# KiCad board fmc_memory_adapter.kicad_pcb (continued)
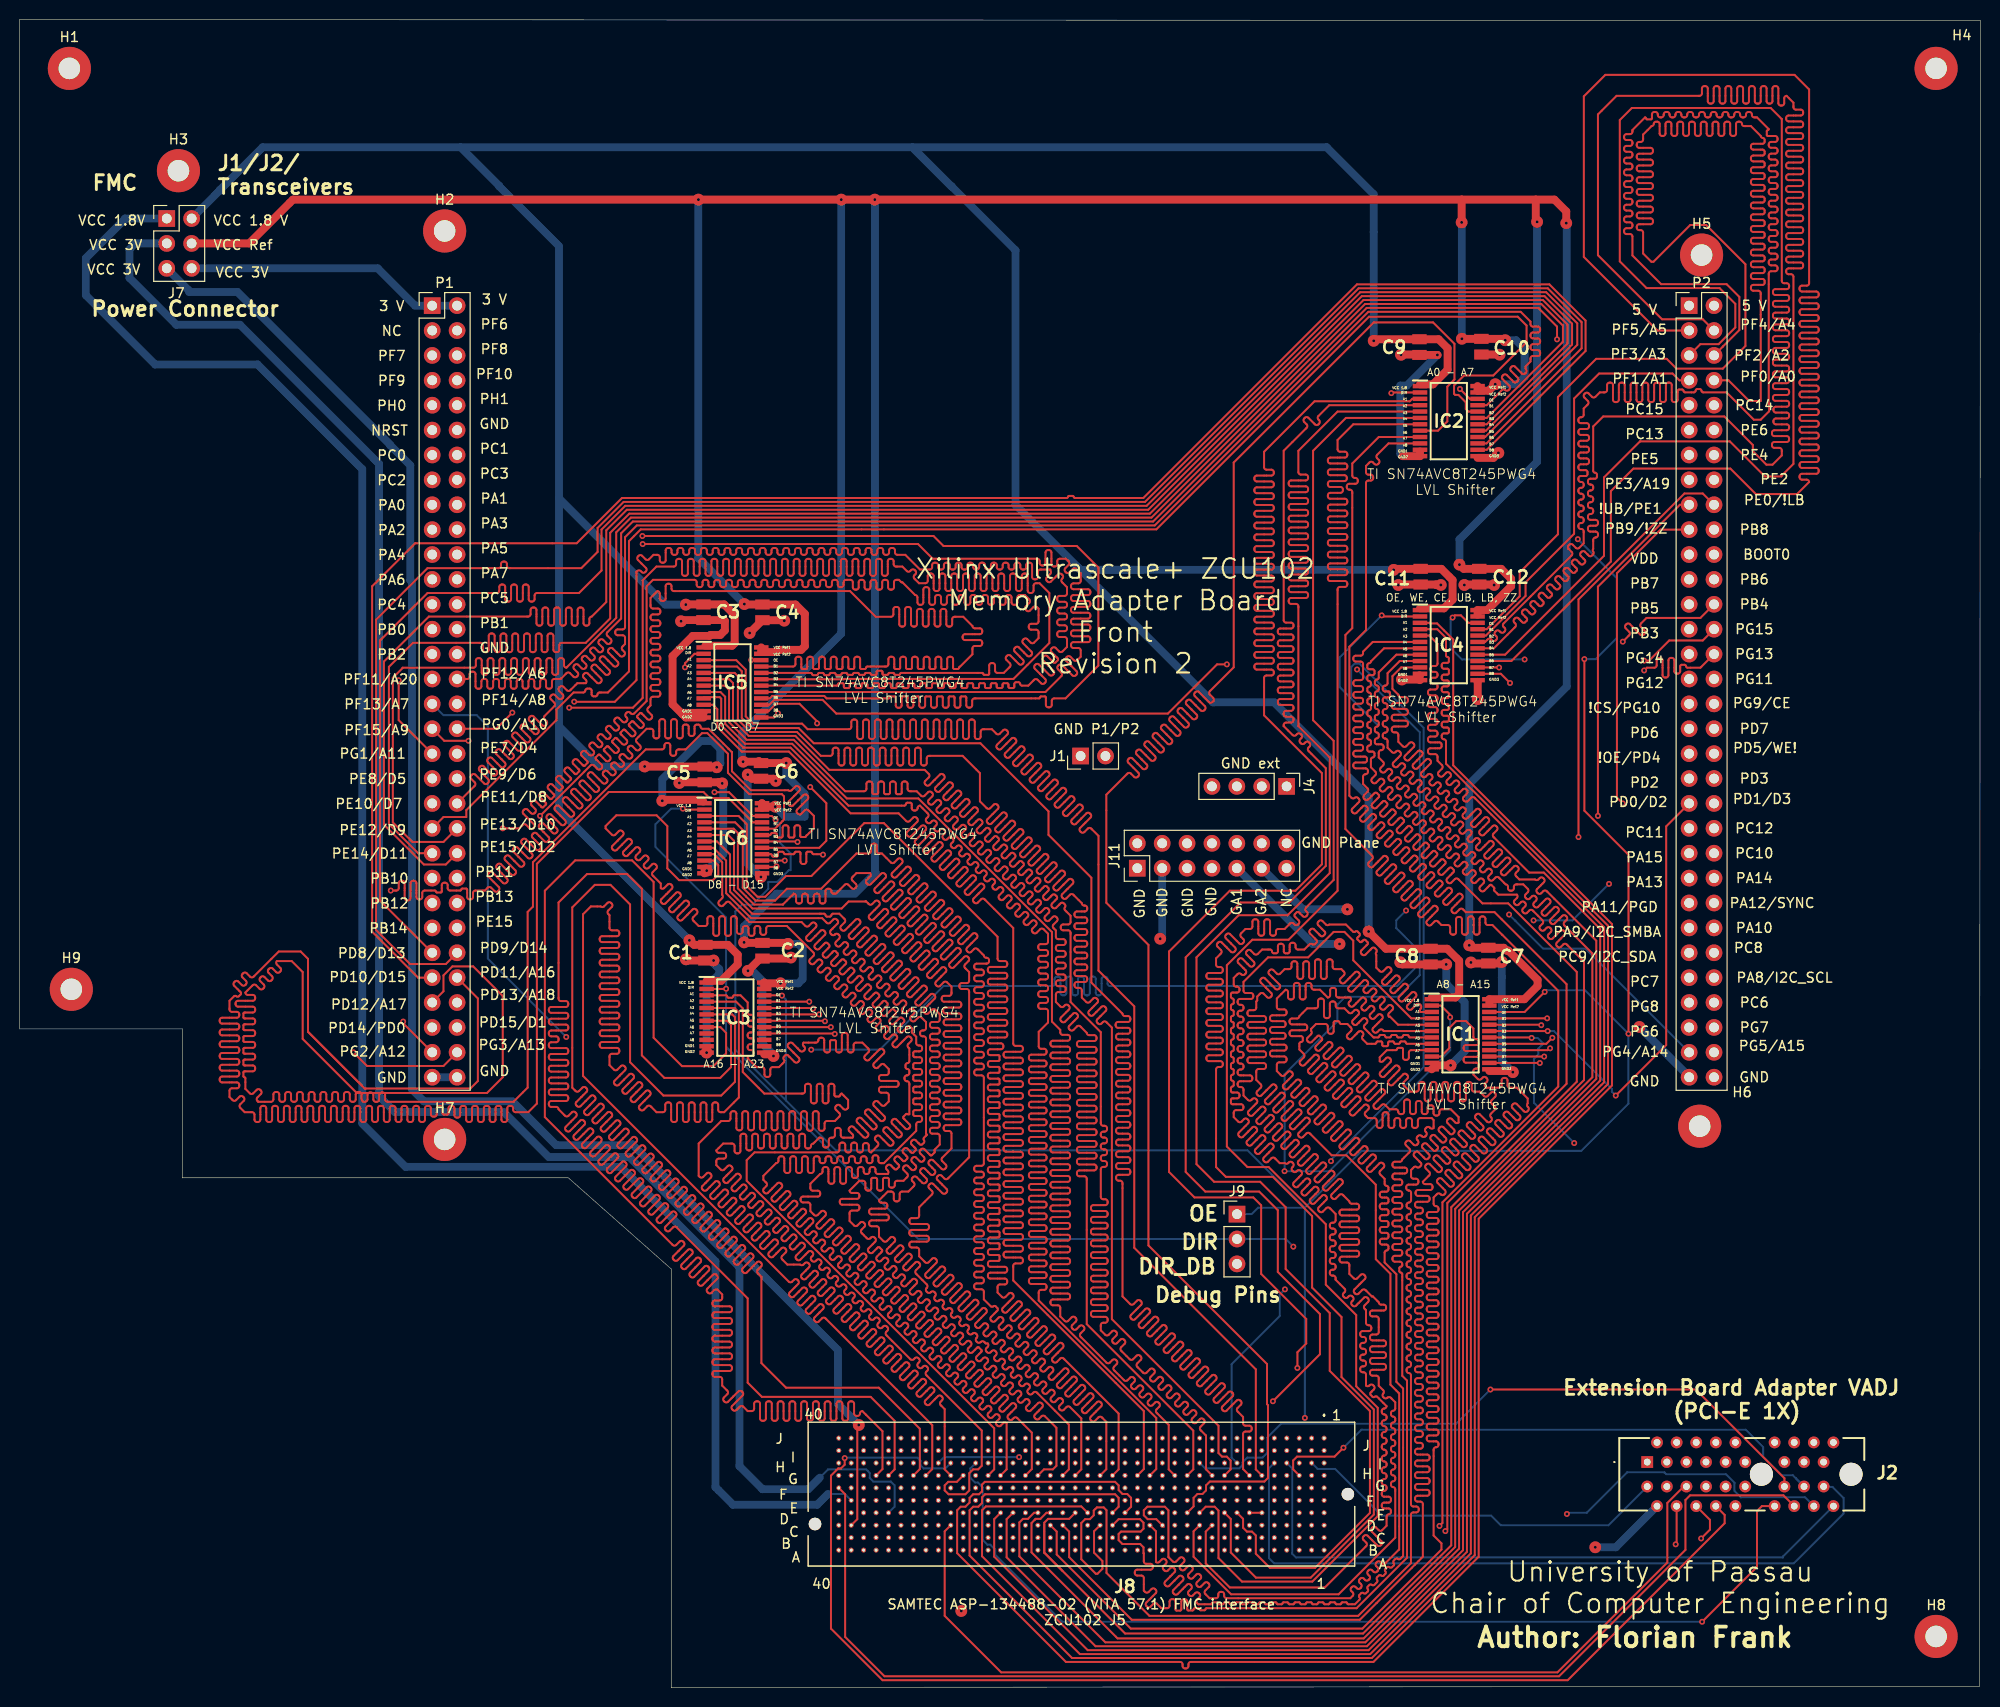
[diagram p0: board, top side]
## Routing (per net, layer and track width the routed paths; a pad name or vN(x,y) marks a point on that pad's centre or on a via; arc(x,y) is an arc through that point) (continued)
Net-(IC1-VCCB_1): length 554.9
  Top w0.8: 75.76,89.75 IC6.24 76.11,89.88 v1(77.11,89.88) ; v1(73.83,94.47) 75.52,94.47 C6.2 ; 149.99,69.75 IC1.24 153.56,70.23 154.91,71.58 154.91,72.2 151.92,75.19 151.75,75.19 151.46,75.48 C7.2 148.19,75.48 v1(147.94,75.73) ; 147.18,151.83 v1(87.27,151.83) v1(83.85,151.83) v1(69.27,151.83) 27.9,151.83 23.43,147.36 J7.4 ; 147.18,151.83 147.16,151.82 v1(147.16,149.5) ; 147.18,151.83 154.73,151.83 ; v1(73.96,110.55) 74.01,110.51 C4.1 79.18,110.51 80.14,109.55 80.14,106.25 79.76,105.88 77.49,105.88 77.26,105.65 75.69,105.65 IC5.24 ; v1(77.65,71.85) 76.07,71.85 IC3.24 75.99,71.45 ; v1(154.86,149.55) 154.73,149.69 154.73,151.83 ; v1(150.59,132.99) 149.93,132.32 148.79,132.32 IC2.24 ; v1(151.61,137.48) 151.47,137.62 C10.2 147.2,137.62 v1(147.19,137.63) ; 154.73,151.83 156.63,151.83 157.84,150.62 v1(157.84,149.43) ; C6.2 75.45,94.54 ; C6.2 v1(78.24,94.33) ; v1(146.94,114.58) 147.37,114.15 C12.2 151.19,114.15 152.21,113.13 152.21,112.38 149.77,109.94 IC4.24 148.79,109.46 ; v1(73.94,76.03) 73.99,75.98 C2.2 78.31,75.98 v1(78.41,75.88)
  Bottom w0.8: v1(154.86,149.55) 154.86,125.08 146.94,117.15 v1(146.94,114.58) ; v1(77.11,89.88) 78.14,88.85 80.11,88.85 80.11,91.18 78.24,93.06 v1(78.24,94.33) ; v1(147.19,137.63) 147.19,149.48 v1(147.16,149.5) ; v1(157.84,149.43) 157.89,149.38 157.89,102.13 147.94,92.18 v1(147.94,75.73) ; v1(73.94,76.03) 73.94,77.68 77.26,81 85.24,81 87.36,83.13 87.29,83.2 87.29,151.82 v1(87.27,151.83) ; v1(83.85,151.83) 83.84,151.82 83.84,107.53 73.71,97.4 73.71,94.59 v1(73.83,94.47) ; v1(151.61,137.48) 152.71,137.48 153.59,136.6 153.59,133.73 152.85,132.99 v1(150.59,132.99) ; v1(78.41,75.88) 79.45,75.88 79.91,75.41 79.91,72.29 79.47,71.85 v1(77.65,71.85) ; v1(69.27,151.83) 69.26,151.82 69.26,115.25 v1(73.96,110.55)
Net-(IC1-~{OE}): length 342.3
  Top w0.2: v2(159.69,104.94) 159.69,89.47 164.19,84.97 v2(164.19,66.7) ; v2(70.91,91.35) 72.4,91.35 74.82,88.93 IC6.22 76.76,88.93 v2(77.15,88.54) ; v2(146.24,109.18) 146.46,109.4 147.08,109.4 147.85,108.64 IC4.22 148.75,108.6 ; v2(146.99,132.5) 147.99,131.5 IC2.22 ; v2(74.66,104.84) 75.67,104.84 IC5.22 ; IC3.22 77.77,70.63 v2(77.8,70.6) ; IC1.22 153.59,68.93 v2(155.64,70.98)
  In2.Cu w0.2: v2(153.59,104.9) 153.62,104.94 v2(159.69,104.94) ; v2(74.66,104.84) 74.63,104.88 67.11,104.88 66.76,104.53 66.76,95.48 70.91,91.33 v2(70.91,91.35) ; v2(159.02,117.17) 149.17,117.17 146.29,120.05 146.29,129.88 145.51,130.65 145.51,131.83 146.19,132.5 v2(146.99,132.5) ; v2(131.16,27.5) 131.11,27.45 127.35,27.45 126.06,26.16 126.06,23.45 J8.H7
  Bottom w0.2: 131.16,48.95 136.96,54.75 159.36,54.75 164.19,59.58 v2(164.19,66.7) 159.74,71.15 155.81,71.15 v2(155.64,70.98) ; 131.16,48.95 v2(131.16,27.5) ; 131.16,48.95 126.39,48.95 125.73,48.3 J9.1 ; 131.16,48.95 125.31,54.8 83.31,54.8 78.21,59.91 ; v2(153.59,104.9) 147.19,104.9 146.04,106.05 146.04,108.98 v2(146.24,109.18) ; v2(159.69,104.94) 160.84,104.94 163.01,107.11 163.01,113.18 v2(159.02,117.17) ; 78.21,59.91 78.21,70.19 v2(77.8,70.6) ; 78.21,59.91 73.04,65.08 73.04,79.19 73.72,79.88 74.78,79.88 76.4,81.5 76.4,82.2 77.3,82.2 78.5,83.4 78.69,83.4 78.69,85.11 77.6,86.2 77.6,88.1 v2(77.15,88.54)
Net-(IC2-A1): length 240
  Top w0.2: v2(130.4,32.6) 130.4,34.2 131.3,35.1 131.3,37.6 126.7,42.2 126.7,49.2 125.9,50 119.9,50 117.3,52.6 117.3,75.1 123.5,81.3 130.2,81.3 132.9,84 132.9,93.3 127,99.2 127,103.03 arc(127.07,103.2) 127.24,103.27 127.75,103.27 arc(127.92,103.34) 127.99,103.51 127.99,103.63 arc(127.92,103.8) 127.75,103.87 126.25,103.87 arc(126.08,103.94) 126.01,104.11 126.01,104.23 arc(126.08,104.4) 126.25,104.47 127.75,104.47 arc(127.92,104.54) 127.99,104.71 127.99,104.83 arc(127.92,105) 127.75,105.07 126.25,105.07 arc(126.08,105.14) 126.01,105.31 126.01,105.43 arc(126.08,105.6) 126.25,105.67 127.75,105.67 arc(127.92,105.74) 127.99,105.91 127.99,106.03 arc(127.92,106.2) 127.75,106.27 126.25,106.27 arc(126.08,106.34) 126.01,106.51 126.01,106.63 arc(126.08,106.8) 126.25,106.87 127.75,106.87 arc(127.92,106.94) 127.99,107.11 127.99,107.23 arc(127.92,107.4) 127.75,107.47 126.25,107.47 arc(126.08,107.54) 126.01,107.71 126.01,107.83 arc(126.08,108) 126.25,108.07 127.75,108.07 arc(127.92,108.14) 127.99,108.31 127.99,108.43 arc(127.92,108.6) 127.75,108.67 126.25,108.67 arc(126.08,108.74) 126.01,108.91 126.01,109.03 arc(126.08,109.2) 126.25,109.27 127.75,109.27 arc(127.92,109.34) 127.99,109.51 127.99,109.63 arc(127.92,109.8) 127.75,109.87 126.25,109.87 arc(126.08,109.94) 126.01,110.11 126.01,110.23 arc(126.08,110.4) 126.25,110.47 127.75,110.47 arc(127.92,110.54) 127.99,110.71 127.99,110.83 arc(127.92,111) 127.75,111.07 126.25,111.07 arc(126.08,111.14) 126.01,111.31 126.01,111.43 arc(126.08,111.6) 126.25,111.67 127.75,111.67 arc(127.92,111.74) 127.99,111.91 127.99,112.03 arc(127.92,112.2) 127.75,112.27 126.25,112.27 arc(126.08,112.34) 126.01,112.51 126.01,112.63 arc(126.08,112.8) 126.25,112.87 127.75,112.87 arc(127.92,112.94) 127.99,113.11 127.99,113.23 arc(127.92,113.4) 127.75,113.47 126.25,113.47 arc(126.08,113.54) 126.01,113.71 126.01,113.83 arc(126.08,114) 126.25,114.07 127.75,114.07 arc(127.92,114.14) 127.99,114.31 127.99,114.43 arc(127.92,114.6) 127.75,114.67 126.25,114.67 arc(126.08,114.74) 126.01,114.91 126.01,115.03 arc(126.08,115.2) 126.25,115.27 127.75,115.27 arc(127.92,115.34) 127.99,115.51 127.99,115.63 arc(127.92,115.8) 127.75,115.87 126.25,115.87 arc(126.08,115.94) 126.01,116.11 126.01,116.23 arc(126.08,116.4) 126.25,116.47 127.75,116.47 arc(127.92,116.54) 127.99,116.71 127.99,116.83 arc(127.92,117) 127.75,117.07 126.25,117.07 arc(126.08,117.14) 126.01,117.31 126.01,117.43 arc(126.08,117.6) 126.25,117.67 127.75,117.67 arc(127.92,117.74) 127.99,117.91 127.99,118.03 arc(127.92,118.2) 127.75,118.27 126.25,118.27 arc(126.08,118.34) 126.01,118.51 126.01,118.63 arc(126.08,118.8) 126.25,118.87 127.75,118.87 arc(127.92,118.94) 127.99,119.11 127.99,119.23 arc(127.92,119.4) 127.75,119.47 126.25,119.47 arc(126.08,119.54) 126.01,119.71 126.01,119.83 arc(126.08,120) 126.25,120.07 127.75,120.07 arc(127.92,120.14) 127.99,120.31 127.99,120.43 arc(127.92,120.6) 127.75,120.67 126.25,120.67 arc(126.08,120.74) 126.01,120.91 126.01,121.03 arc(126.08,121.2) 126.25,121.27 127.75,121.27 arc(127.92,121.34) 127.99,121.51 127.99,121.63 arc(127.92,121.8) 127.75,121.87 126.25,121.87 arc(126.08,121.94) 126.01,122.11 126.01,122.23 arc(126.08,122.4) 126.25,122.47 127.75,122.47 arc(127.92,122.54) 127.99,122.71 127.99,122.83 arc(127.92,123) 127.75,123.07 126.25,123.07 arc(126.08,123.14) 126.01,123.31 126.01,123.43 arc(126.08,123.6) 126.25,123.67 127.75,123.67 arc(127.92,123.74) 127.99,123.91 127.99,124.03 arc(127.92,124.2) 127.75,124.27 127.24,124.27 arc(127.07,124.34) 127,124.51 127,126.1 132.15,131.25 141.87,131.25 142.12,131.5 IC2.3
  In2.Cu w0.2: J8.C26 100.76,17.17 100.76,27.46 101.6,28.3 127.85,28.3 130.4,30.85 v2(130.4,32.6)
Net-(IC2-A2): length 201.8
  Top w0.2: IC2.4 133.65,130.85 132.54,129.74 arc(132.47,129.57) 132.54,129.4 132.62,129.31 arc(132.69,129.14) 132.62,128.97 132.53,128.89 arc(132.37,128.82) 132.2,128.89 131.51,129.57 arc(131.34,129.64) 131.17,129.57 131.09,129.49 arc(131.02,129.32) 131.09,129.15 131.35,128.89 arc(131.42,128.72) 131.35,128.55 129,126.2 129,108.9 arc(129.07,108.73) 129.24,108.66 129.76,108.66 arc(129.93,108.59) 130,108.42 130,108.3 arc(129.93,108.13) 129.76,108.06 128.64,108.06 arc(128.47,107.99) 128.4,107.82 128.4,107.7 arc(128.47,107.53) 128.64,107.46 129.76,107.46 arc(129.93,107.39) 130,107.22 130,107.1 arc(129.93,106.93) 129.76,106.86 128.64,106.86 arc(128.47,106.79) 128.4,106.62 128.4,106.5 arc(128.47,106.33) 128.64,106.26 129.76,106.26 arc(129.93,106.19) 130,106.02 130,105.9 arc(129.93,105.73) 129.76,105.66 128.64,105.66 arc(128.47,105.59) 128.4,105.42 128.4,105.3 arc(128.47,105.13) 128.64,105.06 129.76,105.06 arc(129.93,104.99) 130,104.82 130,104.7 arc(129.93,104.53) 129.76,104.46 128.64,104.46 arc(128.47,104.39) 128.4,104.22 128.4,104.1 arc(128.47,103.93) 128.64,103.86 129.76,103.86 arc(129.93,103.79) 130,103.62 130,103.5 arc(129.93,103.33) 129.76,103.26 128.64,103.26 arc(128.47,103.19) 128.4,103.02 128.4,102.9 arc(128.47,102.73) 128.64,102.66 129.76,102.66 arc(129.93,102.59) 130,102.42 130,102.3 arc(129.93,102.13) 129.76,102.06 128.64,102.06 arc(128.47,101.99) 128.4,101.82 128.4,101.7 arc(128.47,101.53) 128.64,101.46 129.76,101.46 arc(129.93,101.39) 130,101.22 130,101.1 arc(129.93,100.93) 129.76,100.86 128.64,100.86 arc(128.47,100.79) 128.4,100.62 128.4,100.5 arc(128.47,100.33) 128.64,100.26 129.76,100.26 arc(129.93,100.19) 130,100.02 130,99.9 arc(129.93,99.73) 129.76,99.66 129.24,99.66 arc(129.07,99.59) 129,99.42 129,99.3 arc(129.07,99.13) 129.24,99.06 129.76,99.06 arc(129.93,98.99) 130,98.82 130,98.7 arc(129.93,98.53) 129.76,98.46 129.24,98.46 arc(129.07,98.39) 129,98.22 129,98.1 129.46,97.64 129.92,97.18 arc(130.09,97.11) 130.26,97.18 130.38,97.3 arc(130.55,97.37) 130.72,97.3 130.8,97.22 arc(130.87,97.05) 130.8,96.88 130.68,96.76 arc(130.61,96.59) 130.68,96.42 130.77,96.33 arc(130.94,96.26) 131.11,96.33 131.23,96.45 arc(131.4,96.52) 131.57,96.45 131.65,96.37 arc(131.72,96.2) 131.65,96.03 131.53,95.91 arc(131.46,95.74) 131.53,95.57 133.3,93.8 133.3,83.83 129.57,80.1 124.6,80.1 119,74.5 119,52.6 121,50.6 126.5,50.6 128.4,48.7 128.4,42.4 132.7,38.1 132.7,34 v2(127.9,29.2)
  In2.Cu w0.2: v2(127.9,29.2) 127.79,29.09 100.45,29.09 99.46,28.1 99.46,17.2 J8.C27
Net-(IC2-A3): length 201
  Top w0.2: IC2.5 134.5,130.2 130.5,126.2 130.5,124.01 arc(130.57,123.84) 130.74,123.77 131.25,123.77 arc(131.42,123.7) 131.49,123.53 131.49,123.41 arc(131.42,123.24) 131.25,123.17 129.75,123.17 arc(129.58,123.1) 129.51,122.93 129.51,122.81 arc(129.58,122.64) 129.75,122.57 131.25,122.57 arc(131.42,122.5) 131.49,122.33 131.49,122.21 arc(131.42,122.04) 131.25,121.97 129.75,121.97 arc(129.58,121.9) 129.51,121.73 129.51,121.61 arc(129.58,121.44) 129.75,121.37 131.25,121.37 arc(131.42,121.3) 131.49,121.13 131.49,121.01 arc(131.42,120.84) 131.25,120.77 129.75,120.77 arc(129.58,120.7) 129.51,120.53 129.51,120.41 arc(129.58,120.24) 129.75,120.17 131.25,120.17 arc(131.42,120.1) 131.49,119.93 131.49,119.81 arc(131.42,119.64) 131.25,119.57 129.75,119.57 arc(129.58,119.5) 129.51,119.33 129.51,119.21 arc(129.58,119.04) 129.75,118.97 131.25,118.97 arc(131.42,118.9) 131.49,118.73 131.49,118.61 arc(131.42,118.44) 131.25,118.37 129.75,118.37 arc(129.58,118.3) 129.51,118.13 129.51,118.01 arc(129.58,117.84) 129.75,117.77 131.25,117.77 arc(131.42,117.7) 131.49,117.53 131.49,117.41 arc(131.42,117.24) 131.25,117.17 129.75,117.17 arc(129.58,117.1) 129.51,116.93 129.51,116.81 arc(129.58,116.64) 129.75,116.57 131.25,116.57 arc(131.42,116.5) 131.49,116.33 131.49,116.21 arc(131.42,116.04) 131.25,115.97 129.75,115.97 arc(129.58,115.9) 129.51,115.73 129.51,115.61 arc(129.58,115.44) 129.75,115.37 131.25,115.37 arc(131.42,115.3) 131.49,115.13 131.49,115.01 arc(131.42,114.84) 131.25,114.77 129.75,114.77 arc(129.58,114.7) 129.51,114.53 129.51,114.41 arc(129.58,114.24) 129.75,114.17 131.25,114.17 arc(131.42,114.1) 131.49,113.93 131.49,113.81 arc(131.42,113.64) 131.25,113.57 129.75,113.57 arc(129.58,113.5) 129.51,113.33 129.51,113.21 arc(129.58,113.04) 129.75,112.97 131.25,112.97 arc(131.42,112.9) 131.49,112.73 131.49,112.61 arc(131.42,112.44) 131.25,112.37 129.75,112.37 arc(129.58,112.3) 129.51,112.13 129.51,112.01 arc(129.58,111.84) 129.75,111.77 131.25,111.77 arc(131.42,111.7) 131.49,111.53 131.49,111.41 arc(131.42,111.24) 131.25,111.17 129.75,111.17 arc(129.58,111.1) 129.51,110.93 129.51,110.81 arc(129.58,110.64) 129.75,110.57 130.26,110.57 arc(130.43,110.5) 130.5,110.33 130.5,98.1 133.7,94.9 133.7,83.1 129.4,78.8 124.4,78.8 120.1,74.5 120.1,53.4 121.9,51.6 126.6,51.6 129.2,49 129.2,42.7 133.7,38.2 133.7,32.3 137.8,28.2 137.8,17.81 132.19,12.2 127.6,12.2 126.16,13.64 126.16,15.51 125.76,15.9 125.25,15.9 124.86,16.29 124.86,17.2 J8.D8
Net-(IC2-A4): length 200
  Top w0.2: J8.D9 123.6,17.19 123.6,13.77 126.17,11.2 131.76,11.2 138.2,17.64 138.2,28.37 134.9,31.67 134.9,37.8 131.9,40.8 131.9,48.1 127.9,52.1 123.1,52.1 122.1,53.1 122.1,63.07 arc(122.17,63.24) 122.34,63.31 122.55,63.31 arc(122.72,63.38) 122.79,63.55 122.79,63.67 arc(122.72,63.84) 122.55,63.91 121.35,63.91 arc(121.18,63.98) 121.11,64.15 121.11,64.27 arc(121.18,64.44) 121.35,64.51 122.55,64.51 arc(122.72,64.58) 122.79,64.75 122.79,64.87 arc(122.72,65.04) 122.55,65.11 121.35,65.11 arc(121.18,65.18) 121.11,65.35 121.11,65.47 arc(121.18,65.64) 121.35,65.71 122.55,65.71 arc(122.72,65.78) 122.79,65.95 122.79,66.07 arc(122.72,66.24) 122.55,66.31 121.35,66.31 arc(121.18,66.38) 121.11,66.55 121.11,66.67 arc(121.18,66.84) 121.35,66.91 122.55,66.91 arc(122.72,66.98) 122.79,67.15 122.79,67.27 arc(122.72,67.44) 122.55,67.51 121.35,67.51 arc(121.18,67.58) 121.11,67.75 121.11,67.87 arc(121.18,68.04) 121.35,68.11 122.55,68.11 arc(122.72,68.18) 122.79,68.35 122.79,68.47 arc(122.72,68.64) 122.55,68.71 121.35,68.71 arc(121.18,68.78) 121.11,68.95 121.11,69.07 arc(121.18,69.24) 121.35,69.31 122.55,69.31 arc(122.72,69.38) 122.79,69.55 122.79,69.67 arc(122.72,69.84) 122.55,69.91 121.35,69.91 arc(121.18,69.98) 121.11,70.15 121.11,70.27 arc(121.18,70.44) 121.35,70.51 122.55,70.51 arc(122.72,70.58) 122.79,70.75 122.79,70.87 arc(122.72,71.04) 122.55,71.11 121.35,71.11 arc(121.18,71.18) 121.11,71.35 121.11,71.47 arc(121.18,71.64) 121.35,71.71 122.55,71.71 arc(122.72,71.78) 122.79,71.95 122.79,72.07 arc(122.72,72.24) 122.55,72.31 121.35,72.31 arc(121.18,72.38) 121.11,72.55 121.11,72.67 arc(121.18,72.84) 121.35,72.91 122.55,72.91 arc(122.72,72.98) 122.79,73.15 122.79,73.27 arc(122.72,73.44) 122.55,73.51 122.34,73.51 arc(122.17,73.58) 122.1,73.75 122.1,74.4 122.6,74.9 arc(122.67,75.07) 122.6,75.24 122.25,75.6 arc(122.18,75.77) 122.25,75.94 122.33,76.03 arc(122.5,76.1) 122.67,76.03 123.62,75.08 arc(123.79,75.01) 123.96,75.08 124.04,75.16 arc(124.11,75.33) 124.04,75.5 123.09,76.45 arc(123.02,76.62) 123.09,76.79 123.18,76.87 arc(123.35,76.94) 123.52,76.87 124.47,75.92 arc(124.64,75.85) 124.81,75.92 124.89,76.01 arc(124.96,76.18) 124.89,76.35 124.64,76.6 arc(124.57,76.77) 124.64,76.94 125.1,77.4 125.57,77.4 arc(125.74,77.47) 125.81,77.64 125.81,78.15 arc(125.88,78.32) 126.05,78.39 126.17,78.39 arc(126.34,78.32) 126.41,78.15 126.41,76.95 arc(126.48,76.78) 126.65,76.71 126.77,76.71 arc(126.94,76.78) 127.01,76.95 127.01,78.15 arc(127.08,78.32) 127.25,78.39 127.37,78.39 arc(127.54,78.32) 127.61,78.15 127.61,76.95 arc(127.68,76.78) 127.85,76.71 127.97,76.71 arc(128.14,76.78) 128.21,76.95 128.21,77.16 arc(128.28,77.33) 128.45,77.4 129.1,77.4 129.66,77.96 arc(129.83,78.03) 130,77.96 130.11,77.85 arc(130.28,77.78) 130.45,77.85 130.53,77.93 arc(130.6,78.1) 130.53,78.27 130.14,78.67 arc(130.09,78.79) 130.14,78.91 130.32,79.1 arc(130.44,79.14) 130.56,79.1 130.96,78.7 arc(131.13,78.63) 131.3,78.7 131.38,78.78 arc(131.45,78.95) 131.38,79.12 131.27,79.23 arc(131.2,79.4) 131.27,79.57 134.1,82.4 134.1,96.6 132,98.7 132,126.2 135.35,129.55 IC2.6
Net-(IC2-A5): length 200.2
  Top w0.2: J8.D11 121.05,18.44 121.95,18.44 122.35,18.05 122.35,13.2 124.75,10.8 131.92,10.8 138.6,17.48 138.6,28.53 136.4,30.73 136.4,38 133.3,41.1 133.3,47.27 127.47,53.1 125.3,53.1 123.2,55.2 123.2,73.7 125.8,76.3 129.5,76.3 134.5,81.3 134.5,112.06 arc(134.57,112.23) 134.74,112.3 135.25,112.3 arc(135.42,112.37) 135.49,112.54 135.49,112.66 arc(135.42,112.83) 135.25,112.9 133.75,112.9 arc(133.58,112.97) 133.51,113.14 133.51,113.26 arc(133.58,113.43) 133.75,113.5 135.25,113.5 arc(135.42,113.57) 135.49,113.74 135.49,113.86 arc(135.42,114.03) 135.25,114.1 133.75,114.1 arc(133.58,114.17) 133.51,114.34 133.51,114.46 arc(133.58,114.63) 133.75,114.7 135.25,114.7 arc(135.42,114.77) 135.49,114.94 135.49,115.06 arc(135.42,115.23) 135.25,115.3 133.75,115.3 arc(133.58,115.37) 133.51,115.54 133.51,115.66 arc(133.58,115.83) 133.75,115.9 135.25,115.9 arc(135.42,115.97) 135.49,116.14 135.49,116.26 arc(135.42,116.43) 135.25,116.5 133.75,116.5 arc(133.58,116.57) 133.51,116.74 133.51,116.86 arc(133.58,117.03) 133.75,117.1 135.25,117.1 arc(135.42,117.17) 135.49,117.34 135.49,117.46 arc(135.42,117.63) 135.25,117.7 133.75,117.7 arc(133.58,117.77) 133.51,117.94 133.51,118.06 arc(133.58,118.23) 133.75,118.3 135.25,118.3 arc(135.42,118.37) 135.49,118.54 135.49,118.66 arc(135.42,118.83) 135.25,118.9 133.75,118.9 arc(133.58,118.97) 133.51,119.14 133.51,119.26 arc(133.58,119.43) 133.75,119.5 135.25,119.5 arc(135.42,119.57) 135.49,119.74 135.49,119.86 arc(135.42,120.03) 135.25,120.1 133.75,120.1 arc(133.58,120.17) 133.51,120.34 133.51,120.46 arc(133.58,120.63) 133.75,120.7 135.25,120.7 arc(135.42,120.77) 135.49,120.94 135.49,121.06 arc(135.42,121.23) 135.25,121.3 133.75,121.3 arc(133.58,121.37) 133.51,121.54 133.51,121.66 arc(133.58,121.83) 133.75,121.9 134.8,121.9 arc(134.97,121.97) 135.04,122.14 135.04,122.26 arc(134.97,122.43) 134.8,122.5 133.75,122.5 arc(133.58,122.57) 133.51,122.74 133.51,122.86 arc(133.58,123.03) 133.75,123.1 135.2,123.1 arc(135.37,123.17) 135.44,123.34 135.44,123.46 arc(135.37,123.63) 135.2,123.7 133.75,123.7 arc(133.58,123.77) 133.51,123.94 133.51,124.06 arc(133.58,124.23) 133.75,124.3 135.25,124.3 arc(135.42,124.37) 135.49,124.54 135.49,124.66 arc(135.42,124.83) 135.25,124.9 133.75,124.9 arc(133.58,124.97) 133.51,125.14 133.51,125.26 arc(133.58,125.43) 133.75,125.5 135.25,125.5 arc(135.42,125.57) 135.49,125.74 135.49,125.86 arc(135.42,126.03) 135.25,126.1 134.74,126.1 arc(134.57,126.17) 134.5,126.34 134.5,127.3 136.1,128.9 IC2.7
Net-(IC2-A6): length 200.1
  Top w0.2: IC2.8 144.75,128.25 145.7,129.2 145.7,132.75 146.43,133.47 146.43,137.11 144.24,139.3 138.2,139.3 123.9,125 123.9,104.1 121.46,101.66 arc(121.39,101.49) 121.46,101.32 121.81,100.98 arc(121.88,100.81) 121.81,100.64 121.73,100.55 arc(121.56,100.48) 121.39,100.55 120.35,101.59 arc(120.18,101.66) 120.01,101.59 119.93,101.5 arc(119.86,101.33) 119.93,101.16 120.96,100.13 arc(121.03,99.96) 120.96,99.79 120.88,99.7 arc(120.71,99.63) 120.54,99.7 119.5,100.74 arc(119.33,100.81) 119.16,100.74 119.08,100.65 arc(119.01,100.48) 119.08,100.31 120.11,99.28 arc(120.18,99.11) 120.11,98.94 120.03,98.85 arc(119.86,98.78) 119.69,98.85 118.65,99.89 arc(118.49,99.96) 118.32,99.89 118.23,99.8 arc(118.16,99.63) 118.23,99.46 119.26,98.43 arc(119.33,98.26) 119.26,98.09 119.18,98.01 arc(119.01,97.94) 118.84,98.01 117.81,99.04 arc(117.64,99.11) 117.47,99.04 117.38,98.96 arc(117.31,98.79) 117.38,98.62 118.42,97.58 arc(118.49,97.41) 118.42,97.24 118.33,97.16 arc(118.16,97.09) 117.99,97.16 116.96,98.19 arc(116.79,98.26) 116.62,98.19 116.53,98.11 arc(116.46,97.94) 116.53,97.77 117.57,96.73 arc(117.64,96.56) 117.57,96.39 117.48,96.31 arc(117.31,96.24) 117.14,96.31 116.11,97.34 arc(115.94,97.41) 115.77,97.34 115.68,97.26 arc(115.61,97.09) 115.68,96.92 116.72,95.88 arc(116.79,95.72) 116.72,95.55 116.63,95.46 arc(116.46,95.39) 116.29,95.46 115.26,96.49 arc(115.09,96.57) 114.92,96.49 114.84,96.41 arc(114.77,96.24) 114.84,96.07 115.87,95.04 arc(115.94,94.87) 115.87,94.7 115.79,94.61 arc(115.62,94.54) 115.45,94.61 114.41,95.65 arc(114.24,95.72) 114.07,95.65 113.99,95.56 arc(113.92,95.39) 113.99,95.22 115.02,94.19 arc(115.09,94.02) 115.02,93.85 114.94,93.76 arc(114.77,93.69) 114.6,93.76 113.56,94.8 arc(113.39,94.87) 113.22,94.8 113.14,94.71 arc(113.07,94.54) 113.14,94.37 114.17,93.34 arc(114.24,93.17) 114.17,93 114.09,92.92 arc(113.92,92.84) 113.75,92.92 113.4,93.26 arc(113.23,93.33) 113.06,93.26 110.9,91.1 110.9,80.07 115.2,75.77 115.2,45.1 127.3,33 127.3,28.9 127.4,28.8 127.4,21.37 127.03,21.01 121.47,21.01 121.08,20.62 121.08,20.1 120.71,19.74 120.2,19.74 119.81,19.35 119.81,18.47 J8.D12 ; J8.D12 119.21,17.77 ; J8.D12 119.21,17.87
Net-(IC2-A7): length 200.4
  Top w0.2: v2(144.9,16.48) 145.2,16.78 145.2,49.5 157.02,61.32 157.02,71.09 151.31,76.8 151.3,76.8 150.3,77.8 149.83,77.8 arc(149.66,77.87) 149.59,78.04 149.59,78.44 arc(149.52,78.61) 149.35,78.68 149.23,78.68 arc(149.06,78.61) 148.99,78.44 148.99,77.06 arc(148.92,76.89) 148.75,76.82 148.63,76.82 arc(148.46,76.89) 148.39,77.06 148.39,78.44 arc(148.32,78.61) 148.15,78.68 148.03,78.68 arc(147.86,78.61) 147.79,78.44 147.79,77.06 arc(147.72,76.89) 147.55,76.82 147.43,76.82 arc(147.26,76.89) 147.19,77.06 147.19,78.39 arc(147.12,78.56) 146.95,78.63 146.83,78.63 arc(146.66,78.56) 146.59,78.39 146.59,77.06 arc(146.52,76.89) 146.35,76.82 146.23,76.82 arc(146.06,76.89) 145.99,77.06 145.99,77.56 arc(145.92,77.73) 145.75,77.8 145.1,77.8 144.74,78.16 arc(144.57,78.23) 144.4,78.16 144.05,77.81 arc(143.88,77.74) 143.71,77.81 143.62,77.9 arc(143.55,78.07) 143.62,78.24 144.66,79.28 arc(144.73,79.45) 144.66,79.62 144.58,79.7 arc(144.41,79.77) 144.24,79.7 143.2,78.66 arc(143.03,78.59) 142.86,78.66 142.77,78.74 arc(142.7,78.91) 142.77,79.08 143.82,80.13 arc(143.89,80.3) 143.82,80.47 143.73,80.55 arc(143.56,80.62) 143.39,80.55 142.42,79.58 arc(142.25,79.51) 142.08,79.58 142,79.66 arc(141.92,79.83) 142,80 142.97,80.98 arc(143.04,81.15) 142.97,81.32 142.88,81.4 arc(142.71,81.47) 142.54,81.4 141.5,80.36 arc(141.33,80.29) 141.16,80.36 141.08,80.44 arc(141.01,80.61) 141.08,80.78 142.12,81.82 arc(142.19,81.99) 142.12,82.16 142.03,82.25 arc(141.86,82.32) 141.69,82.25 140.65,81.21 arc(140.48,81.14) 140.31,81.21 140.23,81.29 arc(140.16,81.46) 140.23,81.63 141.27,82.67 arc(141.34,82.84) 141.27,83.01 141.19,83.1 arc(141.02,83.17) 140.85,83.1 139.8,82.05 arc(139.63,81.98) 139.46,82.05 139.38,82.14 arc(139.31,82.31) 139.38,82.48 140.42,83.52 arc(140.49,83.69) 140.42,83.86 140.34,83.95 arc(140.17,84.02) 140,83.95 138.95,82.9 arc(138.78,82.83) 138.62,82.9 138.53,82.99 arc(138.46,83.16) 138.53,83.33 139.57,84.37 arc(139.64,84.54) 139.57,84.71 139.49,84.79 arc(139.32,84.86) 139.15,84.79 138.11,83.75 arc(137.94,83.68) 137.77,83.75 137.68,83.84 arc(137.61,84.01) 137.68,84.18 138.03,84.53 arc(138.1,84.7) 138.03,84.87 135.3,87.6 135.3,107.4 136,108.1 136,121.99 arc(135.93,122.16) 135.76,122.23 135.68,122.23 arc(135.51,122.3) 135.44,122.47 135.44,122.59 arc(135.51,122.76) 135.68,122.83 136.32,122.83 arc(136.49,122.9) 136.56,123.07 136.56,123.19 arc(136.49,123.36) 136.32,123.43 136.24,123.43 arc(136.07,123.5) 136,123.67 136,124.9 138.7,127.6 IC2.9
  In2.Cu w0.2: v2(144.9,16.48) 144.35,15.93 118.9,15.93 118.54,16.29 118.54,16.78 118.14,17.17 117.27,17.17 J8.D14
Net-(IC2-A8): length 200
  Top w0.2: v2(145.5,15.95) 145.7,16.15 145.7,49.43 157.87,61.6 157.87,71.77 150.52,79.12 147.58,79.12 147.29,79.41 arc(147.12,79.48) 146.95,79.41 146.61,79.07 arc(146.44,79) 146.27,79.07 146.18,79.15 arc(146.11,79.32) 146.18,79.49 147.21,80.52 arc(147.28,80.69) 147.21,80.86 147.12,80.94 arc(146.96,81.01) 146.79,80.94 145.76,79.91 arc(145.59,79.84) 145.42,79.91 145.33,80 arc(145.26,80.17) 145.33,80.34 146.11,81.12 arc(146.18,81.29) 146.11,81.46 146.03,81.54 arc(145.86,81.61) 145.69,81.54 144.91,80.76 arc(144.74,80.69) 144.57,80.76 144.48,80.85 arc(144.41,81.02) 144.48,81.19 145.16,81.87 arc(145.23,82.03) 145.16,82.19 145.07,82.29 arc(144.9,82.36) 144.74,82.29 144.06,81.61 arc(143.89,81.54) 143.72,81.61 143.64,81.7 arc(143.57,81.87) 143.64,82.04 144.31,82.71 arc(144.38,82.88) 144.31,83.04 144.22,83.14 arc(144.05,83.21) 143.89,83.14 143.21,82.46 arc(143.04,82.39) 142.87,82.46 142.79,82.55 arc(142.72,82.71) 142.79,82.88 143.47,83.56 arc(143.53,83.73) 143.47,83.89 143.37,83.99 arc(143.2,84.05) 143.04,83.99 142.36,83.31 arc(142.19,83.24) 142.02,83.31 141.94,83.39 arc(141.87,83.56) 141.94,83.73 142.62,84.41 arc(142.68,84.58) 142.62,84.74 142.52,84.84 arc(142.36,84.9) 142.19,84.84 141.51,84.16 arc(141.34,84.09) 141.17,84.16 141.09,84.24 arc(141.02,84.41) 141.09,84.58 141.77,85.26 arc(141.84,85.42) 141.77,85.59 141.67,85.68 arc(141.51,85.75) 141.34,85.68 140.67,85.01 arc(140.5,84.94) 140.33,85.01 140.24,85.09 arc(140.17,85.26) 140.24,85.43 140.92,86.11 arc(140.99,86.27) 140.92,86.44 140.82,86.53 arc(140.66,86.6) 140.5,86.53 139.82,85.85 arc(139.65,85.78) 139.48,85.85 139.39,85.94 arc(139.32,86.11) 139.39,86.28 140.07,86.96 arc(140.14,87.12) 140.07,87.28 139.97,87.38 arc(139.81,87.45) 139.65,87.38 138.97,86.7 arc(138.8,86.63) 138.63,86.7 138.54,86.79 arc(138.47,86.96) 138.54,87.13 139.22,87.81 arc(139.29,87.97) 139.22,88.13 139.13,88.23 arc(138.96,88.3) 138.8,88.23 138.12,87.55 arc(137.95,87.48) 137.78,87.55 137.7,87.64 arc(137.63,87.81) 137.7,87.98 138.37,88.65 arc(138.44,88.82) 138.37,88.98 138.28,89.08 arc(138.11,89.15) 137.95,89.08 137.27,88.4 arc(137.1,88.33) 136.93,88.4 136.85,88.48 arc(136.78,88.65) 136.85,88.82 137.53,89.5 arc(137.59,89.67) 137.53,89.83 137.43,89.93 arc(137.27,89.99) 137.1,89.93 136.42,89.25 arc(136.25,89.18) 136.08,89.25 136,89.33 arc(135.93,89.5) 136,89.67 136.68,90.35 arc(136.74,90.51) 136.68,90.68 136.57,90.78 arc(136.41,90.85) 136.25,90.78 arc(136.08,90.71) 135.92,90.78 135.7,91 135.7,106.2 137.4,107.9 137.4,122.92 arc(137.47,123.09) 137.64,123.16 137.89,123.16 arc(138.06,123.23) 138.13,123.4 138.13,123.52 arc(138.06,123.69) 137.89,123.76 137.64,123.76 arc(137.47,123.83) 137.4,124 137.4,124.65 137.77,125.02 arc(137.94,125.09) 138.11,125.02 138.28,124.84 arc(138.45,124.77) 138.62,124.84 138.71,124.92 arc(138.78,125.09) 138.71,125.26 138.53,125.44 arc(138.46,125.61) 138.53,125.78 139.7,126.95 IC2.10
  In2.Cu w0.2: v2(145.5,15.95) 144.18,14.63 118.93,14.63 118.54,15.02 118.54,15.73 118.33,15.93 116.36,15.93 116,16.29 116,17.17 J8.D15
Net-(IC2-B1): length 200
  Top w0.2: IC2.21 149.72,130.85 151.27,132.39 arc(151.44,132.46) 151.61,132.39 151.61,132.39 arc(151.78,132.32) 151.95,132.39 152.03,132.47 arc(152.1,132.64) 152.03,132.81 151.33,133.51 arc(151.26,133.68) 151.33,133.85 151.42,133.94 arc(151.59,134.01) 151.76,133.94 152.46,133.24 arc(152.63,133.17) 152.8,133.24 152.88,133.32 arc(152.95,133.49) 152.88,133.66 152.18,134.36 arc(152.11,134.53) 152.18,134.7 152.27,134.78 arc(152.44,134.85) 152.61,134.78 153.3,134.09 arc(153.47,134.02) 153.64,134.09 153.73,134.17 arc(153.8,134.34) 153.73,134.51 153.73,134.51 arc(153.66,134.68) 153.73,134.85 154.19,135.31 154.19,135.63 arc(154.26,135.8) 154.43,135.87 154.93,135.87 arc(155.1,135.94) 155.17,136.11 155.17,136.23 arc(155.1,136.4) 154.93,136.47 154.43,136.47 arc(154.26,136.54) 154.19,136.71 154.19,136.83 arc(154.26,137) 154.43,137.07 154.93,137.07 arc(155.1,137.14) 155.17,137.31 155.17,137.43 arc(155.1,137.6) 154.93,137.67 154.43,137.67 arc(154.26,137.74) 154.19,137.91 154.19,138.03 arc(154.26,138.2) 154.43,138.27 154.93,138.27 arc(155.1,138.34) 155.17,138.51 155.17,138.63 arc(155.1,138.8) 154.93,138.87 154.43,138.87 arc(154.26,138.94) 154.19,139.11 154.19,139.38 153.19,140.38 137.64,140.38 115.84,118.58 62.99,118.58 61.79,117.38 61.79,108.21 arc(61.72,108.04) 61.55,107.97 61.03,107.97 arc(60.86,107.9) 60.79,107.73 60.79,107.61 arc(60.86,107.44) 61.03,107.37 61.55,107.37 arc(61.72,107.3) 61.79,107.13 61.79,106.48 61.52,106.21 arc(61.45,106.04) 61.52,105.87 61.71,105.68 arc(61.78,105.51) 61.71,105.34 61.63,105.26 arc(61.46,105.19) 61.29,105.26 60.53,106.02 arc(60.36,106.09) 60.19,106.02 60.11,105.93 arc(60.04,105.76) 60.11,105.59 61.04,104.66 arc(61.11,104.49) 61.04,104.32 60.95,104.23 arc(60.78,104.16) 60.61,104.23 59.68,105.17 arc(59.51,105.24) 59.34,105.17 59.26,105.08 arc(59.19,104.91) 59.26,104.74 60.19,103.81 arc(60.26,103.64) 60.19,103.47 60.11,103.38 arc(59.94,103.31) 59.77,103.38 58.83,104.32 arc(58.66,104.39) 58.49,104.32 58.41,104.23 arc(58.34,104.06) 58.41,103.89 59.34,102.96 arc(59.41,102.79) 59.34,102.62 59.26,102.54 arc(59.09,102.47) 58.92,102.54 57.98,103.47 arc(57.81,103.54) 57.64,103.47 57.56,103.38 arc(57.49,103.22) 57.56,103.05 57.79,102.82 arc(57.86,102.65) 57.79,102.48 56.92,102.48 56.19,101.75 arc(56.02,101.68) 55.85,101.75 55.48,102.12 arc(55.31,102.19) 55.14,102.12 55.06,102.04 arc(54.99,101.87) 55.06,101.7 55.43,101.33 arc(55.5,101.16) 55.43,100.99 55.34,100.91 arc(55.17,100.84) 55,100.91 54.63,101.27 arc(54.46,101.34) 54.3,101.27 54.21,101.19 arc(54.14,101.02) 54.21,100.85 54.58,100.48 arc(54.65,100.31) 54.58,100.14 53.58,99.14 arc(53.51,98.97) 53.58,98.8 53.77,98.61 arc(53.84,98.44) 53.77,98.27 53.68,98.19 arc(53.51,98.12) 53.34,98.19 52.45,99.09 arc(52.28,99.16) 52.11,99.09 52.02,99 arc(51.95,98.83) 52.02,98.66 52.92,97.76 arc(52.99,97.59) 52.92,97.42 52.84,97.34 arc(52.67,97.27) 52.5,97.34 51.6,98.24 arc(51.43,98.31) 51.26,98.24 51.17,98.15 arc(51.1,97.98) 51.17,97.81 52.07,96.91 arc(52.14,96.74) 52.07,96.58 51.99,96.49 arc(51.82,96.42) 51.65,96.49 50.75,97.39 arc(50.58,97.46) 50.41,97.39 50.33,97.3 arc(50.26,97.13) 50.33,96.96 51.22,96.07 arc(51.29,95.9) 51.22,95.73 51.14,95.64 arc(50.97,95.57) 50.8,95.64 49.9,96.54 arc(49.73,96.61) 49.56,96.54 49.48,96.45 arc(49.41,96.29) 49.48,96.12 50.38,95.22 arc(50.45,95.05) 50.38,94.88 50.29,94.79 arc(50.12,94.72) 49.95,94.79 49.05,95.69 arc(48.88,95.76) 48.71,95.69 48.63,95.61 arc(48.56,95.44) 48.63,95.27 49.53,94.37 arc(49.6,94.2) 49.53,94.03 49.44,93.94 arc(49.27,93.87) 49.1,93.94 48.2,94.84 arc(48.03,94.91) 47.86,94.84 47.78,94.76 arc(47.71,94.59) 47.78,94.42 48.68,93.52 arc(48.75,93.35) 48.68,93.18 48.59,93.1 arc(48.42,93.03) 48.25,93.1 47.36,93.99 arc(47.19,94.06) 47.02,93.99 46.93,93.91 arc(46.86,93.74) 46.93,93.57 47.83,92.67 arc(47.9,92.5) 47.83,92.33 47.74,92.25 arc(47.57,92.18) 47.41,92.25 46.51,93.15 arc(46.34,93.22) 46.17,93.15 46.08,93.06 arc(46.01,92.89) 46.08,92.72 46.45,92.35 arc(46.52,92.18) 46.45,92.01 P1.42